# Altium PCB Audio_PCB.PcbDoc (part 2 of 2)
Units mm, origin at the board's own origin, x right, y up, seen from the top; angles counter-clockwise.
Board outline 165.1 x 127 mm, 4 copper layers (Top Layerr(SIG), Layer 2(GND), Layer 3(GND), Bottom Layer(SIG)), stack 1.56 mm thick; 140 components, 126 nets, 570 pads, 267 vias.
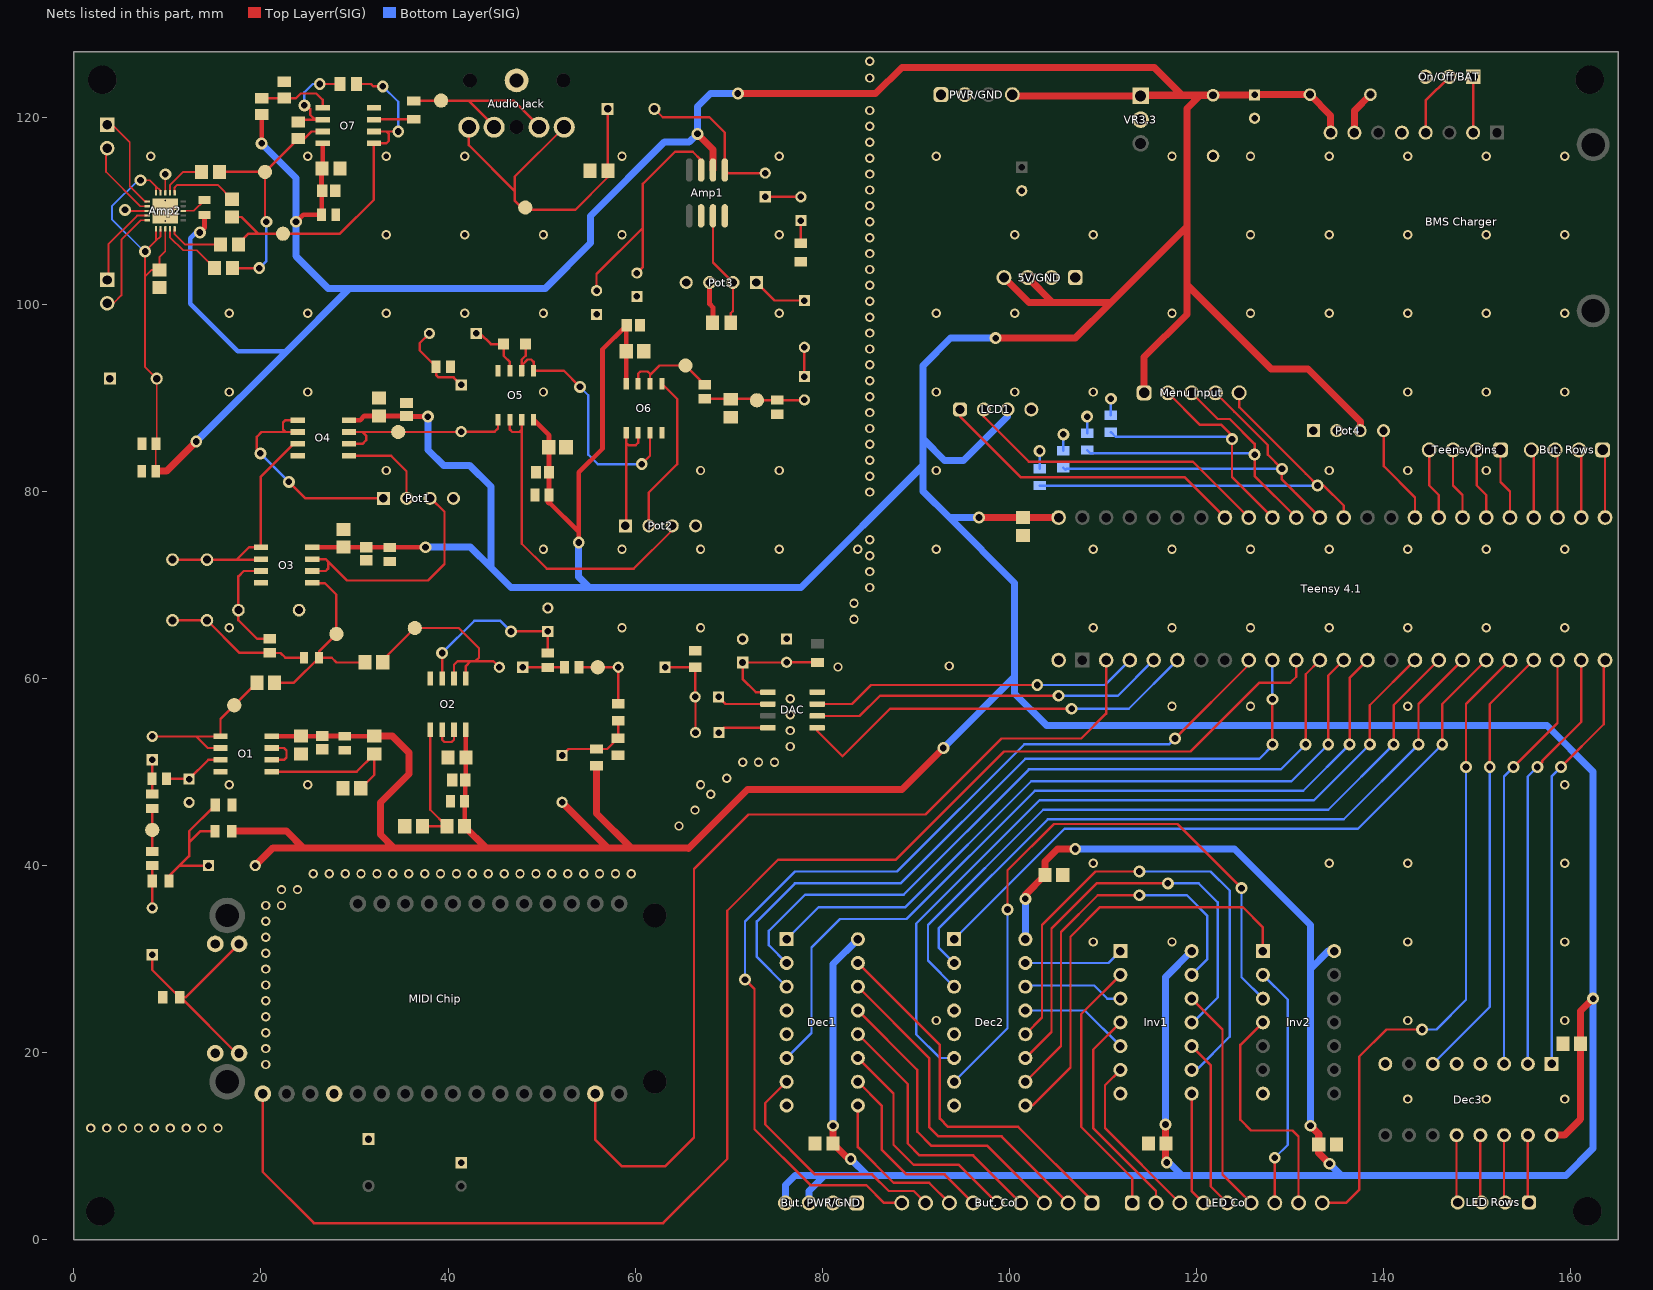
[diagram p4: the nets of this part, all layers, seen from the top]

## Via types
v1: diameter 1, hole 0.6, Top Layerr(SIG) to Bottom Layer(SIG), 189 vias
v2: diameter 1.27, hole 0.711, Top Layerr(SIG) to Bottom Layer(SIG), 73 vias
v3: diameter 0.5, hole 0.2, Top Layerr(SIG) to Bottom Layer(SIG), 5 vias

## Nets (pads, with @x,y where several pads share a name; then routed paths per layer and width w, separated by ;. In a path a pad name is that pad's centre, name@x,y a point inside that pad or via, vN(x,y) a via of type N, cw(c..) or ccw(c..) an arc to the next point about the centre after c; other vN are vias at no path point) (continued)
+5: 5V/GND.3 5V/GND.4 "BMS Charger.8" "But. PWR/GND.3" "But. PWR/GND.4" "Menu Input.1" "Teensy 4.1.42" Amp1.6 Amp2.4 Amp2.5 Amp2.11 Amp2.12 Amp2.13 C1.1 C5.2 C8.1 C9.1 C10.1 C16.2 C19.1 C20.1 C21.1 C25.1 C26.1 C27.2 C28.1 C29.1 C32.1 C33.1 C34.1 C35.1 C36.1 C44.2 C45.1 C46.2 C51.2 C52.2 C53.2 C54.2 C55.2 C56.2 C57.2 C58.1 C59.1 C60.1 C61.1 C62.2 Dec1.16 Dec2.16 Dec3.16 Inv1.14 Inv2.14 LCD1.3 O1.8 O2.8 O3.8 O4.8 O5.8 O6.8 O7.8 Pot4.3 PWR/GND.4 R3.1 R8.2 R13.1 R17.2 R34.1 R36.1 VR3.3.1 | length 1105.7
  Top Layerr(SIG) w0.2: v2(7.112,113.284) 8.128,113.284 8.771,112.641 ; C54.2@8.751,82.169 8.751,85.078 C53.2@8.763,85.09 8.85,85.177 C52.2@8.85,92.075 7.62,93.305 7.62,102.997 ; Amp2.11@8.771,108.077 8.771,106.815 ; Amp2.5@8.771,111.927 8.771,112.641 ; Amp2.12@9.271,108.077 9.271,107.315 8.771,106.815 ; Amp2.4@9.271,112.141 8.771,112.641 ; Amp2.13@9.771,108.077 9.771,105.664 9.144,105.037 C51.2@9.144,103.693 8.316,103.693 7.62,102.997 ; 7.62,102.997 v2(7.62,105.664) 8.771,106.815
  Top Layerr(SIG) w0.5: v2(13.462,107.696) 13.97,108.204 R36.1@13.97,109.561 ; v2(20.066,117.221) R34.1@20.066,120.297 ; O1.8@21.155,53.848 C8.1@24.252,53.848 ; v2(23.749,108.839) 24.511,109.601 C46.2@26.489,109.601 C45.1@26.489,112.091 ; C8.1@24.257,53.843 C9.1@26.535,53.843 ; O3.8@25.473,74.041 C25.1@28.824,74.041 ; C44.2@26.47,114.627 C44.2@26.543,114.554 26.47,114.481 26.47,112.21 C45.1@26.539,112.141 ; C9.1@26.543,53.851 C10.1@28.941,53.851 ; C44.2@26.597,114.754 O7.8@26.597,117.221 ; C25.1@28.829,74.036 C26.1@31.234,74.036 ; C10.1@28.956,53.836 R8.2@32.124,53.836 ; O4.8@29.41,87.63 30.607,87.63 31.054,88.077 C28.1@32.639,88.077 C29.1@35.292,88.077 ; C26.1@31.242,74.044 C27.2@33.755,74.044 ; C27.2@33.758,74.041 v2(37.592,74.041) ; C29.1@35.622,88.011 v2(37.846,88.011) ; R17.2@41.778,44.196 C21.1@41.778,46.87 ; C21.1@41.848,46.94 C20.1@41.848,49.149 ; C20.1@41.91,49.211 C19.1@41.91,51.562 O2.8@41.91,54.537 ; O5.8@49.149,87.672 50.8,86.021 C33.1@50.8,82.042 C34.1@50.8,79.641 ; 50.788,78.879 53.975,75.692 ; v2(53.975,74.549) 53.975,75.692 ; O6.8@59.055,91.525 C35.1@59.055,94.996 59.055,97.728 56.515,95.188 56.515,84.582 53.975,82.042 53.975,75.692
  Top Layerr(SIG) w0.75: C54.2@8.751,82.169 9.906,82.169 v2(13.081,85.344) ; R3.1@16.891,43.688 22.733,43.688 24.514,41.907 ; C5.2@19.391,40.005 21.293,41.907 24.514,41.907 ; C8.1@24.252,53.848 C8.1@24.257,53.843 ; C44.2@26.47,114.627 C44.2@26.597,114.754 ; C45.1@26.489,112.091 C45.1@26.539,112.141 C45.1@26.543,112.145 ; C9.1@26.535,53.843 C9.1@26.543,53.851 ; C25.1@28.829,74.046 C25.1@28.834,74.041 ; C10.1@28.941,53.851 C10.1@28.956,53.836 ; C26.1@31.234,74.036 C26.1@31.242,74.044 ; R8.2@32.124,53.836 R8.2@32.131,53.843 34.041,53.843 35.814,52.07 35.814,49.784 32.766,46.736 32.766,43.307 34.166,41.907 ; C27.2@33.755,74.044 C27.2@33.758,74.041 ; C29.1@35.56,88.073 C29.1@35.622,88.011 ; R17.2@41.778,44.196 44.067,41.907 ; C21.1@41.778,46.87 C21.1@41.848,46.94 ; C20.1@41.848,49.149 C20.1@41.91,49.211 ; 50.788,78.879 C34.1@50.788,79.629 C34.1@50.8,79.641 ; C16.2@52.197,46.776 57.023,41.95 57.023,41.907 ; R13.1@55.88,50.673 55.88,45.59 59.563,41.907 ; C36.1@59.055,97.728 C36.1@59.117,97.79 ; v2(66.675,118.237) 68.326,116.586 Amp1.6@68.326,114.374 ; v2(70.993,122.555) 85.725,122.555 88.519,125.349 115.508,125.349 118.491,122.366 ; v2(81.153,12.192) C55.2@81.153,10.287 82.804,8.636 v2(83.058,8.636) ; v2(92.964,52.578) 88.519,48.133 72.009,48.133 65.722,41.846 65.662,41.907 59.563,41.907 ; v2(96.774,77.216) C1.1@101.473,77.216 105.283,77.216 ; v2(98.552,96.393) 107.061,96.393 110.871,100.203 ; 5V/GND.4@99.441,102.87 102.108,100.203 104.648,100.203 ; PWR/GND.4@100.33,122.428 100.457,122.301 VR3.3.1@114.046,122.301 114.111,122.366 118.491,122.366 ; v2(101.727,36.449) 101.727,36.891 C56.2@103.825,38.989 103.825,40.452 105.156,41.783 v2(107.061,41.783) ; 5V/GND.3@101.981,102.87 104.648,100.203 ; 114.427,90.551 114.427,94.361 118.999,98.933 118.999,102.108 ; v2(116.713,12.319) 116.713,10.602 116.774,10.541 116.713,10.48 116.713,8.382 v2(116.84,8.255) ; v2(132.207,12.192) 133.096,11.303 C59.1@133.096,10.16 133.096,9.271 v2(134.239,8.128) ; 134.366,118.364 134.366,120.204 C60.1@132.142,122.428 126.258,122.428 C61.1@126.238,122.408 121.835,122.408 C62.2@121.793,122.366 120.396,122.366 ; Pot4.3@137.521,86.504 137.541,86.524 137.541,87.503 131.953,93.091 128.016,93.091 118.999,102.108 ; Dec3.16@157.988,11.176 159.385,11.176 161.097,12.888 C57.2@161.097,20.955 161.097,24.445 v2(162.433,25.781) ; 24.514,41.907 34.166,41.907 ; 34.166,41.907 44.067,41.907 ; 44.067,41.907 57.023,41.907 ; 57.023,41.907 59.563,41.907 ; 104.648,100.203 110.871,100.203 ; 110.871,100.203 118.999,108.331 ; 118.491,122.366 120.396,122.366 ; 118.999,102.108 118.999,108.331 ; 118.999,108.331 118.999,120.969 120.396,122.366
  Bottom Layer(SIG) w0.2: v2(7.112,113.284) 6.858,113.284 4.064,110.49 4.064,109.093 7.493,105.664 v2(7.62,105.664)
  Bottom Layer(SIG) w0.5: v2(13.462,107.696) 13.081,107.696 12.446,107.061 12.446,100.076 17.526,94.996 22.606,94.996 22.669,94.932 ; Inv2.14@134.112,30.861 Inv2.14@134.747,30.861
  Bottom Layer(SIG) w0.75: v2(13.081,85.344) 22.669,94.932 29.464,101.727 ; v2(20.066,117.221) 23.749,113.538 v2(23.749,108.839) 23.749,105.156 27.178,101.727 29.464,101.727 ; v2(37.592,74.041) 42.418,74.041 44.577,71.882 ; v2(37.846,88.011) 37.846,84.455 39.497,82.804 42.291,82.804 44.577,80.518 44.577,71.882 ; v2(53.975,74.549) 53.975,70.866 55.118,69.723 ; v2(70.993,122.555) 68.072,122.555 66.675,121.158 v2(66.675,118.237) 65.786,117.348 63.119,117.348 55.245,109.474 55.245,106.553 50.419,101.727 29.464,101.727 ; 76.073,3.937 76.073,5.842 77.089,6.858 80.264,6.858 ; 78.613,3.937 78.613,5.207 80.264,6.858 ; v2(81.153,12.192) 81.153,29.464 Dec1.16@83.82,32.131 ; v2(83.058,8.636) 84.836,6.858 ; v2(92.964,52.578) 100.584,60.198 ; v2(96.774,77.216) 93.599,77.216 ; v2(98.552,96.393) 93.726,96.393 90.805,93.472 90.805,85.598 ; LCD1.3@99.822,88.773 99.822,88.011 95.123,83.312 93.091,83.312 90.805,85.598 ; Dec2.16@101.727,32.131 v2@101.727,36.322 ; v2@107.188,41.783 124.079,41.783 132.207,33.655 132.207,28.956 ; v2(116.713,12.319) 116.713,28.067 Inv1.14@119.507,30.861 ; v2(116.84,8.255) 117.094,8.255 118.491,6.858 ; v2@132.207,12.446 132.207,28.956 ; Inv2.14@134.112,30.861 132.207,28.956 ; v2(134.239,8.128) 135.509,6.858 ; Dec3.16@157.988,11.176 Dec3.16@158.369,11.176 ; 44.577,71.882 46.736,69.723 55.118,69.723 ; 55.118,69.723 77.724,69.723 90.805,82.804 ; 80.264,6.858 84.836,6.858 ; 84.836,6.858 118.491,6.858 ; 90.805,82.804 90.805,85.598 ; 90.805,82.804 90.805,80.01 93.599,77.216 ; 93.599,77.216 100.584,70.231 100.584,60.198 ; 100.584,60.198 100.584,58.42 104.013,54.991 157.48,54.991 162.433,50.038 v2(162.433,25.781) 162.433,9.779 159.512,6.858 135.509,6.858 ; 118.491,6.858 135.509,6.858
GND: 5V/GND.1 5V/GND.2 "Audio Jack.1" "BMS Charger.5" "BMS Charger.7" "But. PWR/GND.1" "But. PWR/GND.2" "MIDI Chip.4" "MIDI Chip.31" "MIDI Chip.32" "Teensy 4.1.46" Amp1.2 Amp1.4 Amp2.3 Amp2.8 Amp2.21 C1.2 C2.1 C3.1 C7.2 C8.2 C9.2 C10.2 C11.2 C12.1 C18.2 C19.2 C20.2 C21.2 C24.1 C25.2 C26.2 C27.1 C28.2 C29.2 C32.2 C33.2 C34.2 C35.2 C36.2 C39.1 C40.1 C44.1 C45.2 C46.1 C51.1 C52.1 C53.1 C54.1 C55.1 C56.1 C57.1 C58.2 C59.2 C60.2 C61.2 C62.1 C63.2 DAC.4 Dec1.4 Dec1.5 Dec1.8 Dec2.4 Dec2.5 Dec2.8 Dec3.4 Dec3.5 Dec3.8 Inv1.7 Inv2.7 LCD1.4 O1.4 O2.4 O3.4 O4.4 O5.4 O6.4 O7.4 On/Off/BAT.3 Pot1.4 Pot2.4 Pot3.3 Pot3.4 Pot4.1 Pot4.2 PWR/GND.1 PWR/GND.2 R1.2 R4.2 R9.1 R11.1 R14.2 R18.1 R23.2 R26.1 R27.1 R28.2 R29.2 R30.1 R35.1 R37.2 R38.2 R39.2 R40.2 VR3.3.2 | length 21
  Top Layerr(SIG) w0.2: v2@5.568,110.002 Amp2.8@7.846,110.002 ; Amp2.3@9.771,111.927 v2@9.771,113.911
  Top Layerr(SIG) w0.5: R4.2@16.902,46.482 R4.2@17.029,46.355 ; Pot3.3@67.965,102.345 67.965,100.056 68.326,99.695 R28.2@68.326,98.089
  Top Layerr(SIG) w0.75: v2(5.461,110.109) v2@5.568,110.002 ; v2@9.771,113.911 v2(9.779,113.919) ; R28.2@68.281,98.044 R28.2@68.326,98.089 ; 136.906,118.364 136.906,120.712 C60.2@138.622,122.428
  Bottom Layer(SIG) w0.254: R40.2@103.251,82.434 v2(103.251,84.328) ; R39.2@105.791,84.339 v2(105.791,86.106) ; R38.2@108.331,86.244 v2(108.331,88.011) ; R37.2@110.871,88.149 v2(110.871,89.916)
  other v1: 1.8,11.94 3.5,11.94 5.2,11.94 6.9,11.94 8.6,11.94 10.3,11.94 12,11.94 13.7,11.94 15.4,11.94 142.6,15.04 151,15.04 159.4,15.04 20.5,18.74 20.5,20.44 20.5,22.14 92.2,23.44 142.6,23.44 159.4,23.44 20.5,23.84 20.5,25.54 20.5,27.24 20.5,28.94 20.5,30.64 109,31.84 117.4,31.84 142.6,31.84 159.4,31.84 20.5,32.34 20.5,34.04 20.5,35.74 22.2,35.74 22.2,37.44 23.9,37.44 25.6,39.14 27.3,39.14 29,39.14 30.7,39.14 32.4,39.14 34.1,39.14 35.8,39.14 37.5,39.14 39.2,39.14 40.9,39.14 42.6,39.14 44.3,39.14 46,39.14 47.7,39.14 49.4,39.14 51.1,39.14 52.8,39.14 54.5,39.14 56.2,39.14 57.9,39.14 59.6,39.14 109,40.24 134.2,40.24 142.6,40.24 159.4,40.24 64.7,44.24 66.4,45.94 68.1,47.64 16.6,48.64 25,48.64 67,48.64 159.4,48.64 69.8,49.34 71.5,51.04 73.2,51.04 74.9,51.04 76.6,52.74 76.6,54.44 76.6,56.14 117.4,57.04 125.8,57.04 142.6,57.04 76.6,57.84 81.7,61.24 93.599,61.341 16.6,65.44 58.6,65.44 67,65.44 109,65.44 117.4,65.44 125.8,65.44 134.2,65.44 142.6,65.44 151,65.44 159.4,65.44 83.4,66.34 83.4,68.04 85.1,69.74 85.1,71.44 85.1,73.14 50.2,73.84 58.6,73.84 67,73.84 75.4,73.84 83.8,73.84 92.2,73.84 109,73.84 117.4,73.84 125.8,73.84 134.2,73.84 142.6,73.84 151,73.84 159.4,73.84 85.1,74.84 85.1,79.94 85.1,81.64 33.4,82.24 67,82.24 75.4,82.24 92.2,82.24 134.2,82.24 142.6,82.24 151,82.24 85.1,83.34 85.1,85.04 85.1,86.74 85.1,88.44 85.1,90.14 16.6,90.64 25,90.64 50.2,90.64 92.2,90.64 100.6,90.64 109,90.64 142.6,90.64 151,90.64 159.4,90.64 85.1,91.84 85.1,93.54 85.1,95.24 85.1,96.94 85.1,98.64 16.6,99.04 25,99.04 33.4,99.04 41.8,99.04 50.2,99.04 75.4,99.04 92.2,99.04 100.6,99.04 117.4,99.04 125.8,99.04 134.2,99.04 142.6,99.04 151,99.04 159.4,99.04 85.1,100.34 85.1,102.04 85.1,103.74 85.1,105.44 85.1,107.14 33.4,107.44 41.8,107.44 50.2,107.44 58.6,107.44 75.4,107.44 100.6,107.44 109,107.44 125.8,107.44 134.2,107.44 142.6,107.44 151,107.44 159.4,107.44 85.1,108.84 85.1,110.54 85.1,112.24 85.1,113.94 85.1,115.64 8.2,115.84 25,115.84 33.4,115.84 41.8,115.84 58.6,115.84 75.4,115.84 92.2,115.84 117.4,115.84 125.8,115.84 134.2,115.84 142.6,115.84 151,115.84 159.4,115.84 85.1,117.34 85.1,119.04 85.1,120.74 85.09,124.206 85.09,125.984
  other v3: 9.771,108.902 8.671,110.002 9.771,110.002 10.871,110.002 9.771,111.102
NetAmp1_3: Amp1.3 Pot3.2 R28.1 | length 12.4
  Top Layerr(SIG) w0.254: Amp1.3@68.326,109.474 68.326,104.484 Pot3.2@70.465,102.345 70.465,99.294 70.231,99.06 R28.1@70.231,98.044
NetAmp1_5: Amp1.5 C41.2 C43.2 | length 17
  Top Layerr(SIG) w0.254: C43.2@62.063,120.904 62.952,120.015 67.945,120.015 69.596,118.364 Amp1.5@69.596,114.374 69.924,114.046 C41.2@73.914,114.046
NetAmp1_7: Amp1.7 C39.2 C40.2 | length 27.7
  Top Layerr(SIG) w0.254: C39.2@55.88,101.473 55.88,103.251 60.833,108.204 ; C40.2@60.198,103.358 60.833,103.993 60.833,108.204 ; Amp1.7@67.056,114.374 67.056,115.443 66.167,116.332 64.262,116.332 60.833,112.903 60.833,108.204
NetAmp2_1: Amp2.1 C47.2 | length 7.4
  Top Layerr(SIG) w0.2: Amp2.1@10.771,111.927 10.771,112.498 10.91,112.637 11.049,112.776 15.364,112.776 ; 15.364,112.774 C47.2@16.891,111.247
NetAmp2_2: Amp2.2 C48.2 | length 4.8
  Top Layerr(SIG) w0.2: Amp2.2@10.271,111.927 10.271,112.76 11.684,114.173 C48.2@13.655,114.173
NetAmp2_6: Amp2.6 S1.1 | length 10.4
  Top Layerr(SIG) w0.2: S1.1@4.104,119.213 5.969,117.348 5.969,112.649 7.616,111.002 Amp2.6@7.846,111.002
  Top Layerr(SIG) w0.254: S1.1@3.556,119.213 S1.1@4.104,119.213
NetAmp2_7: Amp2.7 S1.2 | length 8.5
  Top Layerr(SIG) w0.2: S1.2@3.429,116.586 3.429,114.173 7.1,110.502 Amp2.7@7.846,110.502
  Top Layerr(SIG) w0.254: S1.2@3.429,116.586 S1.2@3.556,116.713
NetAmp2_9: Amp2.9 S2.1 | length 9.3
  Top Layerr(SIG) w0.2: S2.1@3.556,102.616 3.683,102.743 3.683,106.426 6.759,109.502 Amp2.9@7.846,109.502
NetAmp2_10: Amp2.10 S2.2 | length 11.5
  Top Layerr(SIG) w0.2: S2.2@3.556,100.116 4.231,100.116 5.08,100.965 5.08,106.934 7.148,109.002 Amp2.10@7.846,109.002
NetAmp2_14: Amp2.14 C50.2 | length 7
  Top Layerr(SIG) w0.2: Amp2.14@10.271,108.077 10.271,107.188 11.668,105.791 13.147,105.791 C50.2@15.052,103.886
NetAmp2_15: Amp2.15 C49.2 | length 5.9
  Top Layerr(SIG) w0.2: Amp2.15@10.771,108.077 10.771,107.509 11.854,106.426 C49.2@15.687,106.426
NetAmp2_18: Amp2.18 R36.2 | length 2.8
  Top Layerr(SIG) w0.2: Amp2.18@11.691,110.022 12.827,110.022 R36.2@13.97,111.165
"NetAudio Jack_2": "Audio Jack.2" "Audio Jack.5" C43.1 pad.17 R30.2 | length 38.2
  Top Layerr(SIG) w0.254: 42.224,118.952 42.224,117.034 47.117,112.141 ; 52.357,118.952 52.357,119.126 ; 52.424,118.952 47.117,113.645 47.117,112.141 ; C43.1@57.063,120.904 57.063,114.321 R30.2@57.084,114.3 57.084,113.599 53.594,110.109 48.133,110.109 47.117,111.125 47.117,112.141
"NetAudio Jack_3": "Audio Jack.3" "Audio Jack.4" pad.18 R31.1 | length 18.2
  Top Layerr(SIG) w0.254: R31.1@36.322,121.793 42.19,121.793 ; 44.857,119.126 42.19,121.793 ; 49.657,119.126 46.99,121.793 42.19,121.793
"NetBMS Charger_2": "BMS Charger.2" On/Off/BAT.1 | length 6
  Top Layerr(SIG) w0.254: 149.606,118.364 On/Off/BAT.1@149.606,124.333
"NetBMS Charger_4": "BMS Charger.4" On/Off/BAT.2 | length 7
  Top Layerr(SIG) w0.254: 144.526,118.364 144.526,121.793 On/Off/BAT.2@147.066,124.333
"NetBut. Col_1": "But. Col.1" Dec1.15 | length 40.4
  Top Layerr(SIG) w0.254: Dec1.15@83.82,29.591 92.583,20.828 92.583,12.954 93.472,12.065 100.965,12.065 108.839,4.191 108.839,3.937
"NetBut. Col_2": "But. Col.2" Dec1.14 | length 36.4
  Top Layerr(SIG) w0.254: Dec1.14@83.82,27.051 91.44,19.431 91.44,12.065 92.456,11.049 99.187,11.049 106.299,3.937
"NetBut. Col_3": "But. Col.3" Dec1.13 | length 32.3
  Top Layerr(SIG) w0.254: Dec1.13@83.82,24.511 90.17,18.161 90.17,11.557 91.694,10.033 97.663,10.033 103.759,3.937
"NetBut. Col_4": "But. Col.4" Dec1.12 | length 28.6
  Top Layerr(SIG) w0.254: Dec1.12@83.82,21.971 89.154,16.637 89.154,10.287 90.424,9.017 96.139,9.017 101.219,3.937
"NetBut. Col_5": "But. Col.5" Dec1.11 | length 24.5
  Top Layerr(SIG) w0.254: Dec1.11@83.82,19.431 87.63,15.621 87.63,10.16 89.789,8.001 94.615,8.001 98.679,3.937
"NetBut. Col_6": "But. Col.6" Dec1.10 | length 20.4
  Top Layerr(SIG) w0.254: Dec1.10@83.82,16.891 86.36,14.351 86.36,9.652 89.027,6.985 93.091,6.985 96.139,3.937
"NetBut. Col_7": "But. Col.7" Dec1.9 | length 16.7
  Top Layerr(SIG) w0.254: Dec1.9@83.82,14.351 83.82,9.906 87.63,6.096 91.44,6.096 93.599,3.937
"NetBut. Col_8": "But. Col.8" Dec1.7 | length 26.1
  Top Layerr(SIG) w0.254: Dec1.7@76.2,16.891 73.914,14.605 73.914,12.319 79.248,6.985 85.344,6.985 87.122,5.207 89.789,5.207 91.059,3.937
"NetBut. Col_9": "But. Col.9" "Teensy 4.1.7" | length 107.4
  Top Layerr(SIG) w0.254: v2(71.755,27.813) 72.771,26.797 72.771,11.811 78.74,5.842 84.709,5.842 86.614,3.937 88.519,3.937 ; v2(117.729,53.594) 125.603,61.468 125.603,61.976
  Bottom Layer(SIG) w0.254: v2(71.755,27.813) 71.755,34.036 77.089,39.37 88.011,39.37 101.6,52.959 117.094,52.959 v2(117.729,53.594)
"NetBut. Rows_1": "But. Rows.1" "Teensy 4.1.33" | length 7.3
  Top Layerr(SIG) w0.254: 163.449,84.455 163.703,84.201 163.703,77.216
"NetBut. Rows_2": "But. Rows.2" "Teensy 4.1.34" | length 7.3
  Top Layerr(SIG) w0.254: 160.909,84.455 161.163,84.201 161.163,77.216
"NetBut. Rows_3": "But. Rows.3" "Teensy 4.1.35" | length 7.3
  Top Layerr(SIG) w0.254: 158.369,84.455 158.623,84.201 158.623,82.804 158.623,77.216
"NetBut. Rows_4": "But. Rows.4" "Teensy 4.1.36" | length 7.3
  Top Layerr(SIG) w0.254: 155.829,84.455 156.083,84.201 156.083,77.216
NetC4_1: "MIDI Chip.29" "MIDI Chip.30" C4.1 R1.1 | length 23.1
  Top Layerr(SIG) w0.254: C4.1@8.382,30.48 8.382,28.84 R1.1@11.314,25.908 11.938,25.908 17.653,31.623 ; R1.1@11.441,25.897 17.526,19.812
NetC4_2: C4.2 R2.1 R5.2 | length 4.5
  Top Layerr(SIG) w0.254: C4.2@8.382,35.48 8.371,35.491 R2.1@8.371,38.354 8.371,38.851 8.382,38.862 R5.2@8.382,40.005
NetC5_1: C5.1 R2.2 R3.2 R4.1 | length 16.1
  Top Layerr(SIG) w0.254: R2.2@10.171,38.354 10.171,38.873 11.303,40.005 ; C5.1@14.264,40.005 11.303,40.005 ; R3.2@14.986,43.688 13.537,43.688 12.319,42.47 ; R4.1@14.986,46.333 12.319,43.666 12.319,42.47 ; 11.303,40.005 12.319,41.021 12.319,42.47
NetC6_1: C6.1 R6.2 R7.1 | length 3.7
  Top Layerr(SIG) w0.254: R6.2@8.382,47.638 8.356,47.664 R7.1@8.356,49.276 8.356,51.282 C6.1@8.382,51.308
NetC6_2: C6.2 O1.1 O1.2 pad.11 R19.1 | length 17.7
  Top Layerr(SIG) w0.254: C6.2@8.382,53.808 13.081,53.808 ; O1.2@15.675,52.578 14.311,52.578 13.081,53.808 ; R19.1@19.558,59.563 15.675,55.68 O1.1@15.675,53.848 15.635,53.808 13.081,53.808
NetC7_1: C7.1 O1.3 R7.2 | length 6.6
  Top Layerr(SIG) w0.254: R7.2@9.906,49.276 12.299,49.276 C7.1@12.319,49.256 14.371,51.308 O1.3@15.675,51.308
NetC11_1: C11.1 C12.2 DAC.5 R10.1 | length 13.1
  Top Layerr(SIG) w0.254: DAC.5@74.2,58.547 72.898,58.547 71.501,59.944 C11.1@71.501,61.722 76.18,61.722 C12.2@76.2,61.742 79.482,61.742 R10.1@79.502,61.722
NetC13_1: C13.1 DAC.8 | length 5.4
  Top Layerr(SIG) w0.254: C13.1@68.961,54.229 69.469,54.737 DAC.8@74.2,54.737
NetC13_2: C13.2 C14.2 C15.1 R11.2 | length 10.2
  Top Layerr(SIG) w0.254: C15.1@63.206,61.214 63.228,61.192 R11.2@66.421,61.192 C14.2@66.421,58.039 66.461,57.999 C13.2@66.461,54.229
NetC14_1: C14.1 DAC.6 | length 5.6
  Top Layerr(SIG) w0.254: C14.1@68.921,58.039 69.683,57.277 DAC.6@74.2,57.277
NetC15_2: C15.2 pad.10 R12.2 R15.1 | length 8.1
  Top Layerr(SIG) w0.254: R15.1@53.988,61.214 C15.2@58.206,61.214 R12.2@58.206,57.306
NetC16_1: C16.1 R12.1 R13.2 R14.1 | length 8.6
  Top Layerr(SIG) w0.254: C16.1@52.197,51.776 52.894,52.473 R13.2@55.88,52.473 57.023,52.473 R14.1@58.166,53.616 58.206,53.656 R12.1@58.206,55.506
NetC17_1: C17.1 R15.2 R16.1 | length 4.5
  Top Layerr(SIG) w0.254: C17.1@47.986,61.214 47.999,61.201 R16.1@50.673,61.201 50.686,61.214 R15.2@52.438,61.214
NetC17_2: C17.2 O2.1 O2.2 pad.12 R20.1 | length 23.1
  Top Layerr(SIG) w0.254: R20.1@33.02,61.722 33.02,61.976 pad.12@36.449,65.405 41.148,65.405 43.307,63.246 43.307,62.23 43.001,61.924 ; O2.2@40.64,60.017 40.64,61.468 41.021,61.849 42.418,61.849 ; O2.1@41.91,60.017 41.91,61.341 42.418,61.849 ; C17.2@45.486,61.214 44.851,61.849 42.418,61.849
NetC18_1: C18.1 O2.3 R16.2 | length 18.2
  Top Layerr(SIG) w0.254: O2.3@39.37,60.017 v2(39.37,62.738) ; v2(46.736,65.024) 46.756,65.044 C18.1@50.673,65.044 R16.2@50.673,62.751
  Bottom Layer(SIG) w0.254: v2(39.37,62.738) 42.799,66.167 45.593,66.167 v2(46.736,65.024)
NetC22_1: C22.1 C23.1 R21.2 R22.1 | length 15.7
  Top Layerr(SIG) w0.254: C23.1@10.541,66.229 C22.1@14.224,66.229 17.703,62.75 R22.1@20.955,62.75 20.967,62.738 22.098,62.738 22.606,62.23 R21.2@24.598,62.23
NetC22_2: C22.2 C23.2 O3.1 O3.2 O4.3 | length 25.6
  Top Layerr(SIG) w0.254: C23.2@10.541,72.709 C22.2@14.224,72.709 17.399,72.709 ; O3.2@19.993,72.771 19.931,72.709 17.399,72.709 ; O4.3@23.93,85.09 23.495,85.09 19.993,81.588 O3.1@19.993,74.041 18.731,74.041 17.399,72.709
NetC24_2: C24.2 O3.3 R22.2 | length 11.5
  Top Layerr(SIG) w0.254: O3.3@19.993,71.501 18.161,71.501 17.588,70.928 C24.2@17.588,67.31 17.588,66.232 19.57,64.25 R22.2@20.955,64.25
NetC30_1: C30.1 C31.2 R23.1 | length 8.7
  Top Layerr(SIG) w0.254: C31.2@38.013,96.901 36.957,95.845 36.957,95.11 R23.1@38.722,93.345 38.722,92.469 38.989,92.202 40.6,92.202 C30.1@41.402,91.4
NetC30_2: C30.2 O4.6 O4.7 O5.5 pad.14 | length 20
  Top Layerr(SIG) w0.254: O4.6@29.41,85.09 30.861,85.09 31.242,85.471 31.242,85.979 30.861,86.36 ; O4.7@29.41,86.36 30.861,86.36 ; C30.2@41.402,86.36 30.861,86.36 ; C30.2@41.402,86.4 44.998,86.4 45.339,86.741 O5.5@45.339,87.672
NetC31_1: C31.1 O5.3 R24.1 | length 6.5
  Top Layerr(SIG) w0.254: C31.1@43.013,96.901 43.434,96.901 44.577,95.758 R24.1@45.942,95.758 45.942,94.52 46.609,93.853 O5.3@46.609,92.922
NetC37_1: C37.1 C38.2 | length 3.1
  Top Layerr(SIG) w0.254: C37.1@78.105,92.289 C38.2@78.105,95.417
NetC37_2: C37.2 pad.16 R25.1 R26.2 R27.2 | length 10.8
  Top Layerr(SIG) w0.254: R25.1@67.437,89.928 70.08,89.928 70.104,89.904 72.869,89.904 pad.16@73.025,89.748 78.064,89.748 C37.2@78.105,89.789
NetC38_1: C38.1 Pot3.1 | length 5.9
  Top Layerr(SIG) w0.254: Pot3.1@72.965,102.345 74.893,100.417 C38.1@78.105,100.417
NetC41_1: C41.1 C42.2 | length 3.8
  Top Layerr(SIG) w0.254: C41.1@73.914,111.506 C42.2@77.724,111.506
NetC42_1: C42.1 R29.1 | length 2.4
  Top Layerr(SIG) w0.254: R29.1@77.724,106.553 C42.1@77.724,108.966
NetC47_1: C47.1 C49.1 O7.1 O7.2 pad.20 R32.1 | length 39.9
  Top Layerr(SIG) w0.254: C47.1@16.891,109.347 17.907,109.347 19.685,107.569 ; C49.1@17.526,106.426 18.669,107.569 19.685,107.569 ; R32.1@30.212,123.571 31.75,123.571 32.004,123.317 v2(33.02,123.317) ; O7.2@32.077,118.491 33.401,118.491 ; v2(34.671,118.491) 33.401,118.491 ; 19.685,107.569 28.448,107.569 32.077,111.198 O7.1@32.077,117.221 33.401,117.221 33.655,117.475 33.655,118.237 33.401,118.491
  Bottom Layer(SIG) w0.254: v2(33.02,123.317) 34.671,121.666 v2(34.671,118.491)
NetC48_1: C48.1 C50.1 O7.7 pad.19 R33.2 | length 26.4
  Top Layerr(SIG) w0.254: C48.1@15.555,114.173 pad.19@20.433,114.173 ; C50.1@16.952,103.886 v2(19.812,103.886) ; v2(20.574,108.839) 20.433,108.98 pad.19@20.433,114.173 ; O7.7@26.597,118.491 25.4,118.491 24.652,117.743 R33.2@24.003,117.743 pad.19@20.433,114.173
  Bottom Layer(SIG) w0.254: v2(19.812,103.886) 20.574,104.648 v2(20.574,108.839)
NetDAC_1: "Teensy 4.1.4" DAC.1 | length 44.2
  Top Layerr(SIG) w0.254: DAC.1@79.47,54.737 79.47,54.396 82.177,51.689 87.257,56.769 89.662,56.769 v2(106.68,56.769)
  Bottom Layer(SIG) w0.254: v2(106.68,56.769) 112.776,56.769 117.983,61.976
NetDAC_2: "Teensy 4.1.3" DAC.2 | length 38.5
  Top Layerr(SIG) w0.254: DAC.2@79.47,56.007 79.481,55.996 84.009,55.996 86.179,58.166 v2(105.283,58.166)
  Bottom Layer(SIG) w0.254: v2(105.283,58.166) 111.633,58.166 115.443,61.976
NetDAC_3: "Teensy 4.1.2" DAC.3 | length 34.7
  Top Layerr(SIG) w0.254: DAC.3@79.47,57.277 83.185,57.277 85.217,59.309 v2@102.362,59.309
  Bottom Layer(SIG) w0.254: v2(102.997,59.309) 110.236,59.309 112.903,61.976
NetDec1_1: "Teensy 4.1.11" Dec1.1 | length 76.2
  Top Layerr(SIG) w0.254: v2(134.112,52.959) 134.112,60.325 135.763,61.976
  Bottom Layer(SIG) w0.254: Dec1.1@76.2,32.131 79.629,35.56 88.9,35.56 102.362,49.022 130.175,49.022 v2(134.112,52.959)
NetDec1_2: "Teensy 4.1.10" Dec1.2 | length 79.5
  Top Layerr(SIG) w0.254: v2(131.699,52.959) 131.699,60.452 133.223,61.976
  Bottom Layer(SIG) w0.254: Dec1.2@76.2,29.591 74.295,31.496 74.295,33.02 78.168,36.893 88.709,36.893 102.108,50.292 129.032,50.292 v2(131.699,52.959)
NetDec1_3: "Teensy 4.1.8" Dec1.3 | length 80.3
  Top Layerr(SIG) w0.254: v2(128.143,52.959) v2(128.143,57.785)
  Bottom Layer(SIG) w0.254: Dec1.3@76.2,27.051 73.025,30.226 73.025,34.036 77.089,38.1 88.392,38.1 101.727,51.435 126.746,51.435 v2@128.207,52.895 ; v2(128.143,57.785) 128.143,61.976
NetDec1_6: "Teensy 4.1.12" Dec1.6 | length 89.2
  Top Layerr(SIG) w0.254: v2(136.398,52.959) 136.398,60.071 138.303,61.976
  Bottom Layer(SIG) w0.254: Dec1.6@76.2,19.431 78.867,22.098 78.867,31.242 81.915,34.29 89.027,34.29 102.743,48.006 131.445,48.006 v2(136.398,52.959)
NetDec2_1: "Teensy 4.1.27" Dec2.1 | length 71.8
  Top Layerr(SIG) w0.254: v2(146.304,52.959) 146.304,57.277 151.003,61.976
  Bottom Layer(SIG) w0.254: Dec2.1@94.107,32.131 105.918,43.942 137.287,43.942 v2(146.304,52.959)
NetDec2_2: "Teensy 4.1.26" Dec2.2 | length 74.8
  Top Layerr(SIG) w0.254: v2(143.764,52.959) 143.764,57.277 148.463,61.976
  Bottom Layer(SIG) w0.254: Dec2.2@94.107,29.591 92.456,31.242 92.456,33.274 104.14,44.958 135.763,44.958 v2(143.764,52.959)
NetDec2_3: "Teensy 4.1.25" Dec2.3 | length 76.8
  Top Layerr(SIG) w0.254: v2@141.097,52.705 v2(141.097,52.959) 141.097,57.15 145.923,61.976
  Bottom Layer(SIG) w0.254: Dec2.3@94.107,27.051 91.313,29.845 91.313,33.655 103.632,45.974 134.112,45.974 v2(141.097,52.959)
NetDec2_6: "Teensy 4.1.24" Dec2.6 | length 84.4
  Top Layerr(SIG) w0.254: v2(138.557,52.959) 138.557,57.15 143.383,61.976
  Bottom Layer(SIG) w0.254: Dec2.6@94.107,19.431 92.583,19.431 90.043,21.971 90.043,33.782 103.251,46.99 132.588,46.99 v2(138.557,52.959)
NetDec2_7: Dec2.7 Inv2.3 | length 67.6
  Top Layerr(SIG) w0.254: v2(99.822,35.306) 99.822,39.497 104.775,44.45 117.983,44.45 v2(124.841,37.592)
  Bottom Layer(SIG) w0.254: Dec2.7@94.107,16.891 99.822,22.606 v2(99.822,35.306) ; v2(124.841,37.592) 124.841,28.067 Inv2.3@127.127,25.781
NetDec2_9: Dec2.9 Inv2.1 | length 45.8
  Top Layerr(SIG) w0.254: Dec2.9@101.727,14.351 102.489,14.351 106.553,18.415 106.553,32.389 109.724,35.56 124.968,35.56 127.127,33.401 Inv2.1@127.127,30.861
NetDec2_10: Dec2.10 Inv1.13 | length 42.8
  Top Layerr(SIG) w0.254: Dec2.10@101.727,16.891 105.537,20.701 105.537,32.893 109.474,36.83 v2(113.919,36.83)
  Bottom Layer(SIG) w0.254: v2(113.919,36.83) 118.999,36.83 121.158,34.671 121.158,29.972 Inv1.13@119.507,28.321
NetDec2_11: Dec2.11 Inv1.11 | length 49.7
  Top Layerr(SIG) w0.254: Dec2.11@101.727,19.431 104.521,22.225 104.521,33.274 109.347,38.1 v2(116.967,38.1)
  Bottom Layer(SIG) w0.254: v2(116.967,38.1) 120.269,38.1 122.301,36.068 122.301,25.908 119.634,23.241 Inv1.11@119.507,23.241
NetDec2_12: Dec2.12 Inv1.9 | length 56.9
  Top Layerr(SIG) w0.254: Dec2.12@101.727,21.971 103.505,23.749 103.505,33.655 109.22,39.37 v2(113.919,39.37)
  Bottom Layer(SIG) w0.254: v2(113.919,39.37) 121.539,39.37 123.571,37.338 123.571,21.717 120.015,18.161 Inv1.9@119.507,18.161
NetDec2_13: Dec2.13 Inv1.5 | length 11.7
  Bottom Layer(SIG) w0.254: Dec2.13@101.727,24.511 108.077,24.511 Inv1.5@111.887,20.701
NetDec2_14: Dec2.14 Inv1.3 | length 10.8
  Bottom Layer(SIG) w0.254: Dec2.14@101.727,27.051 101.854,27.178 109.093,27.178 110.49,25.781 Inv1.3@111.887,25.781
NetDec2_15: Dec2.15 Inv1.1 | length 10.7
  Bottom Layer(SIG) w0.254: Dec2.15@101.727,29.591 110.617,29.591 Inv1.1@111.887,30.861
NetDec3_1: "Teensy 4.1.32" Dec3.1 | length 45.5
  Top Layerr(SIG) w0.254: v2(159.004,50.546) 163.576,55.118 163.576,61.849 163.703,61.976
  Bottom Layer(SIG) w0.254: Dec3.1@157.988,18.796 157.988,49.53 v2(159.004,50.546)
NetDec3_2: "Teensy 4.1.31" Dec3.2 | length 45.8
  Top Layerr(SIG) w0.254: v2(156.464,50.546) 156.974,51.056 156.974,51.183 161.163,55.372 161.163,61.976
  Bottom Layer(SIG) w0.254: Dec3.2@155.448,18.796 155.448,49.53 v2(156.464,50.546) v2@156.464,50.292
NetDec3_3: "Teensy 4.1.30" Dec3.3 | length 45.5
  Top Layerr(SIG) w0.254: v2(153.924,50.546) 158.623,55.245 158.623,61.976
  Bottom Layer(SIG) w0.254: Dec3.3@152.908,18.796 152.908,49.53 v2(153.924,50.546)
NetDec3_6: "Teensy 4.1.29" Dec3.6 | length 47.8
  Top Layerr(SIG) w0.254: v2(151.384,50.546) 151.384,57.277 156.083,61.976
  Bottom Layer(SIG) w0.254: Dec3.6@145.288,18.923 Dec3.6@145.288,18.796 151.384,24.892 v2(151.384,50.546)
NetDec3_12: "LED Rows.4" Dec3.12 | length 7.2
  Top Layerr(SIG) w0.254: Dec3.12@147.828,11.176 147.828,4.11 147.955,3.983
NetDec3_13: "LED Rows.3" Dec3.13 | length 7.2
  Top Layerr(SIG) w0.254: Dec3.13@150.368,11.176 150.368,4.11 150.495,3.983
NetDec3_14: "LED Rows.2" Dec3.14 | length 7.2
  Top Layerr(SIG) w0.254: Dec3.14@152.908,11.176 152.908,4.11 153.035,3.983
NetDec3_15: "LED Rows.1" Dec3.15 | length 7.2
  Top Layerr(SIG) w0.254: Dec3.15@155.448,11.176 155.448,4.11 155.575,3.983
NetInv1_2: "LED Col.1" Inv1.2 | length 28.4
  Top Layerr(SIG) w0.254: Inv1.2@111.887,28.321 107.696,24.13 107.696,12.065 113.157,6.604 113.157,3.937
NetInv1_4: "LED Col.2" Inv1.4 | length 23.3
  Top Layerr(SIG) w0.254: Inv1.4@111.887,23.241 108.966,20.32 108.966,11.938 115.697,5.207 115.697,3.937
NetInv1_6: "LED Col.3" Inv1.6 | length 18.2
  Top Layerr(SIG) w0.254: Inv1.6@111.887,18.161 110.236,16.51 110.236,11.938 118.237,3.937
NetInv1_8: "LED Col.4" Inv1.8 | length 12.2
  Top Layerr(SIG) w0.254: Inv1.8@119.507,15.621 119.507,5.207 120.777,3.937
NetInv1_10: "LED Col.5" Inv1.10 | length 18.3
  Top Layerr(SIG) w0.254: Inv1.10@119.507,20.701 121.539,18.669 121.539,5.715 123.317,3.937
NetInv1_12: "LED Col.6" Inv1.12 | length 24.5
  Top Layerr(SIG) w0.254: Inv1.12@119.507,25.781 122.809,22.479 122.809,6.985 125.857,3.937
NetInv2_2: "LED Col.7" Inv2.2 | length 26.1
  Top Layerr(SIG) w0.254: 128.397,3.937 v2(128.397,8.763)
  Bottom Layer(SIG) w0.254: Inv2.2@127.127,28.321 129.794,25.654 129.794,10.16 v2(128.397,8.763)
NetInv2_4: "LED Col.8" Inv2.4 | length 25.5
  Top Layerr(SIG) w0.254: Inv2.4@127.127,23.241 124.714,20.828 124.714,12.827 125.857,11.684 130.302,11.684 130.937,11.049 130.937,3.937
NetLCD1_1: "Teensy 4.1.19" LCD1.1 | length 33.6
  Top Layerr(SIG) w0.254: LCD1.1@94.742,88.773 94.742,88.011 101.219,81.534 118.745,81.534 123.063,77.216
NetLCD1_2: "Teensy 4.1.18" LCD1.2 | length 33.6
  Top Layerr(SIG) w0.254: LCD1.2@97.282,88.773 97.282,88.011 102.108,83.185 119.634,83.185 125.603,77.216
"NetLED Col_9": "LED Col.9" "Teensy 4.1.28" | length 71
  Top Layerr(SIG) w0.254: 133.477,3.937 136.017,3.937 137.414,5.334 137.414,19.558 140.335,22.479 v2(144.145,22.479) ; v2(148.844,50.546) 148.844,57.277 153.543,61.976
  Bottom Layer(SIG) w0.254: v2(144.145,22.479) 145.669,22.479 148.844,25.654 v2(148.844,50.546)
"NetMenu Input_2": "Menu Input.2" "Teensy 4.1.17" R37.1 | length 32.6
  Top Layerr(SIG) w0.254: 116.967,90.551 120.396,87.122 122.682,87.122 123.825,85.979 v2(123.825,85.598) 123.825,81.534 128.143,77.216
  Bottom Layer(SIG) w0.254: R37.1@110.871,86.349 111.368,85.852 123.571,85.852 v2(123.825,85.598)
"NetMenu Input_3": "Menu Input.3" "Teensy 4.1.16" R38.1 | length 36.8
  Top Layerr(SIG) w0.254: 119.507,90.551 122.301,87.757 123.571,87.757 126.238,85.09 v2(126.238,83.947) 126.238,81.661 130.683,77.216
  Bottom Layer(SIG) w0.254: R38.1@108.331,84.444 108.701,84.074 126.111,84.074 v2(126.238,83.947)
"NetMenu Input_4": "Menu Input.4" "Teensy 4.1.15" R39.1 | length 41.3
  Top Layerr(SIG) w0.254: 122.047,90.551 124.079,88.519 127.635,84.963 127.635,83.947 v2(129.159,82.423) 129.159,81.28 130.451,79.988 ; 130.552,79.887 133.223,77.216
  Bottom Layer(SIG) w0.254: R39.1@105.791,82.539 106.034,82.296 106.161,82.423 v2(129.159,82.423)
"NetMenu Input_5": "Menu Input.5" "Teensy 4.1.14" R40.1 | length 47.4
  Top Layerr(SIG) w0.254: 124.587,90.551 124.587,89.027 131.699,81.915 v2(132.969,80.645) ; 133.604,80.645 135.763,78.486 135.763,77.216
  Bottom Layer(SIG) w0.254: R40.1@103.251,80.634 v2@132.958,80.634
"NetMIDI Chip_1": "MIDI Chip.1" "Teensy 4.1.9" | length 162.2
  Top Layerr(SIG) w0.254: 20.193,15.192 20.193,7.239 25.654,1.778 62.992,1.778 69.85,8.636 69.85,35.179 75.311,40.64 87.884,40.64 99.441,52.197 119.38,52.197 126.746,59.563 130.048,59.563 130.683,60.198 130.683,61.976
"NetMIDI Chip_15": "MIDI Chip.15" "Teensy 4.1.1" | length 103.3
  Top Layerr(SIG) w0.254: 55.753,15.621 55.753,10.668 58.547,7.874 63.246,7.874 66.294,10.922 66.294,39.624 72.136,45.466 91.059,45.466 99.187,53.594 107.696,53.594 110.358,56.256 ; 110.363,56.261 110.363,61.976
NetO1_5: O1.5 R8.1 R9.2 | length 16.1
  Top Layerr(SIG) w0.254: O1.5@21.155,50.038 30.226,50.038 R8.1@32.131,51.943 32.131,49.723 R9.2@30.668,48.26
NetO1_6: O1.6 O1.7 | length 4.1
  Top Layerr(SIG) w0.254: O1.6@21.155,51.308 22.479,51.308 22.733,51.562 22.733,52.324 22.479,52.578 O1.7@21.155,52.578
NetO2_5: O2.5 R17.1 R18.2 | length 13.8
  Top Layerr(SIG) w0.254: R18.2@37.338,44.262 R18.2@37.272,44.196 R17.1@39.878,44.196 38.1,45.974 O2.5@38.1,54.537
NetO2_6: O2.6 O2.7 | length 3.6
  Top Layerr(SIG) w0.254: O2.6@39.37,54.537 39.37,53.467 39.624,53.213 40.386,53.213 40.64,53.467 O2.7@40.64,54.537
NetO3_5: O3.5 pad.13 R19.2 R20.2 R21.1 | length 21.7
  Top Layerr(SIG) w0.254: R19.2@21.458,59.563 23.535,59.563 R21.1@26.202,62.23 ; O3.5@25.473,70.231 25.44,70.198 26.83,70.198 28.067,68.961 pad.13@28.067,64.775 26.202,62.91 R21.1@26.202,62.23 ; R20.2@31.12,61.722 28.067,61.722 27.559,62.23 R21.1@26.202,62.23
NetO3_6: O3.6 O3.7 Pot1.3 | length 26.1
  Top Layerr(SIG) w0.254: O3.6@25.473,71.501 26.924,71.501 27.178,71.755 27.178,72.517 ; O3.7@25.473,72.771 26.924,72.771 27.178,72.517 ; Pot1.3@38.08,79.265 38.187,79.265 39.624,77.828 39.624,72.263 37.846,70.485 29.21,70.485 27.178,72.517
NetO4_1: O4.1 O4.2 Pot1.1 | length 24.5
  Top Layerr(SIG) w0.254: v2(19.939,84.074) 19.558,84.455 19.558,85.852 20.066,86.36 22.606,86.36 ; v2(22.987,81.026) 24.748,79.265 Pot1.1@33.08,79.265 ; O4.2@23.93,86.36 22.606,86.36 ; O4.1@23.93,87.63 22.606,87.63 22.352,87.376 22.352,86.614 22.606,86.36
  Bottom Layer(SIG) w0.254: v2(19.939,84.074) v2(22.987,81.026)
NetO4_5: O4.5 Pot1.2 | length 9.6
  Top Layerr(SIG) w0.254: O4.5@29.41,83.82 33.909,83.82 35.56,82.169 Pot1.2@35.56,79.392
NetO5_1: O5.1 O5.2 O6.3 R24.2 | length 28.7
  Top Layerr(SIG) w0.254: O5.2@47.879,92.922 O5.2@47.879,93.472 ; R24.2@48.292,95.758 48.292,94.52 47.879,94.107 O5.2@47.879,93.472 ; v2(54.102,91.186) 52.366,92.922 O5.1@49.149,92.922 49.149,93.853 48.895,94.107 48.514,94.107 O5.2@47.879,93.472 ; v2(60.706,82.931) 61.595,83.82 O6.3@61.595,86.275
  Bottom Layer(SIG) w0.254: v2(54.102,91.186) 54.991,90.297 54.991,83.947 56.007,82.931 v2(60.706,82.931)
NetO5_6: O5.6 O5.7 Pot2.3 | length 35.2
  Top Layerr(SIG) w0.254: O5.6@46.609,87.672 46.609,86.614 46.863,86.36 47.625,86.36 47.879,86.614 ; O5.7@47.879,87.672 47.879,86.614 ; Pot2.3@63.968,76.327 63.968,75.859 59.864,71.755 50.546,71.755 47.879,74.422 47.879,86.614
NetO6_1: O6.1 O6.2 Pot2.1 | length 12.5
  Top Layerr(SIG) w0.254: Pot2.1@58.968,76.327 59.055,76.414 59.055,85.217 ; O6.1@59.055,86.275 59.055,85.217 ; O6.2@60.325,86.275 60.325,85.217 60.071,84.963 59.309,84.963 59.055,85.217
NetO6_5: O6.5 Pot2.2 | length 17.1
  Top Layerr(SIG) w0.254: Pot2.2@61.468,76.327 61.468,79.883 64.516,82.931 64.516,89.874 O6.5@62.865,91.525
NetO6_6: O6.6 O6.7 pad.15 R25.2 | length 10.7
  Top Layerr(SIG) w0.254: O6.7@60.325,91.525 60.325,92.583 60.579,92.837 61.341,92.837 61.595,92.583 61.595,92.456 ; O6.6@61.595,91.525 61.595,92.456 ; R25.2@67.437,91.428 pad.15@65.393,93.472 62.611,93.472 61.595,92.456
NetO7_3: O7.3 R31.2 | length 4.3
  Top Layerr(SIG) w0.254: O7.3@32.077,119.761 32.118,119.802 R31.2@36.322,119.802
NetO7_5: O7.5 R34.2 R35.2 | length 7.9
  Top Layerr(SIG) w0.254: R34.2@20.066,122.047 20.08,122.061 R35.2@22.479,122.061 22.493,122.047 23.749,122.047 24.257,122.555 25.908,122.555 26.597,121.866 O7.5@26.597,121.031
NetO7_6: O7.6 R32.2 R33.1 | length 11.2
  Top Layerr(SIG) w0.254: R33.1@24.003,119.747 26.583,119.747 O7.6@26.597,119.761 25.781,119.761 25.273,120.269 25.273,120.904 24.892,121.285 v2(24.638,121.285) ; v2(26.289,123.571) R32.2@28.462,123.571
  Bottom Layer(SIG) w0.254: v2(24.638,121.285) 24.638,122.682 25.527,123.571 v2(26.289,123.571)
NetPot4_4: "Teensy 4.1.41" Pot4.4 | length 10.7
  Top Layerr(SIG) w0.254: Pot4.4@140.021,86.504 140.041,86.484 140.041,82.717 143.383,79.375 143.383,77.216
NetR5_1: pad.9 R5.1 R6.1 | length 4.6
  Top Layerr(SIG) w0.254: R5.1@8.382,41.517 pad.9@8.382,43.815 R6.1@8.382,46.088
"NetTeensy 4.1_37": "Teensy 4.1.37" "Teensy Pins.1" | length 7.7
  Top Layerr(SIG) w0.254: 152.527,84.455 152.527,81.026 153.543,80.01 153.543,77.216
"NetTeensy 4.1_38": "Teensy 4.1.38" "Teensy Pins.2" | length 7.7
  Top Layerr(SIG) w0.254: 149.987,84.455 149.987,80.645 151.003,79.629 151.003,77.216
"NetTeensy 4.1_39": "Teensy 4.1.39" "Teensy Pins.3" | length 7.7
  Top Layerr(SIG) w0.254: 147.447,84.455 147.447,80.645 148.463,79.629 148.463,77.216
"NetTeensy 4.1_40": "Teensy 4.1.40" "Teensy Pins.4" | length 7.7
  Top Layerr(SIG) w0.254: 144.907,84.455 144.907,80.645 145.923,79.629 145.923,77.216
pads on no net: "Audio Jack.MH1" "Audio Jack.MH2" "Audio Jack.MH3" "BMS Charger.1" "BMS Charger.3" "BMS Charger.6" "BMS Charger.P1" "BMS Charger.P2" "MIDI Chip.3" "MIDI Chip.5" "MIDI Chip.6" "MIDI Chip.7" "MIDI Chip.8" "MIDI Chip.9" "MIDI Chip.10" "MIDI Chip.11" "MIDI Chip.12" "MIDI Chip.13" "MIDI Chip.14" "MIDI Chip.16" "MIDI Chip.17" "MIDI Chip.18" "MIDI Chip.19" "MIDI Chip.20" "MIDI Chip.21" "MIDI Chip.22" "MIDI Chip.23" "MIDI Chip.24" "MIDI Chip.25" "MIDI Chip.26" "MIDI Chip.27" "MIDI Chip.28" "MIDI Chip.MH1" "MIDI Chip.MH2" "MIDI Chip.P$1" "MIDI Chip.P$2" "Teensy 4.1.0" "Teensy 4.1.5" "Teensy 4.1.6" "Teensy 4.1.13" "Teensy 4.1.20" "Teensy 4.1.21" "Teensy 4.1.22" "Teensy 4.1.23" "Teensy 4.1.43" "Teensy 4.1.44" "Teensy 4.1.45" "Teensy 4.1.47" Amp1.1 Amp1.8 Amp2.16 Amp2.17 Amp2.19 Amp2.20 DAC.7 Dec3.7 Dec3.9 Dec3.10 Dec3.11 Inv2.5 Inv2.6 Inv2.8 Inv2.9 Inv2.10 Inv2.11 Inv2.12 Inv2.13

## Polygon pours and split planes (outlines as drawn)
GND on Top Layerr(SIG) "GND_L01_P008" (solid, pour order 8): 0,127 165.1,127 165.1,0 0,0
GND on Layer 2(GND) "GND_L02_P009" (solid, pour order 9): 0,127 165.1,127 165.1,0 0,0
GND on Layer 3(GND) "GND_L03_P010" (solid, pour order 10): 0,127 165.1,127 165.1,0 0,0
GND on Bottom Layer(SIG) "GND_L04_P011" (solid, pour order 11): 0,127 165.1,127 165.1,0 0,0

## Silkscreen, mask and mechanical layers (free items; w line width, h text height)
Top Overlay:
  text "Moduloop_Audio V2" at 129.413,40.894 h2
  text "SDP 24 Team 28:  Ryan Gordon   Conor Curtin  Evan Rovelli  Shawn Colby" at 138.557,26.543 h1.52

## Text inside footprints (layer, text, board x,y; h text height)
"Audio Jack": Mechanical 7 "3,5mm" at 44.593,115.862 h1.97
"But. Col": Top Overlay "1" at 108.966,1.905 h1.02 r180; Top Overlay "9" at 88.9,2.032 h1.02 r180
"LED Col": Top Overlay "1" at 113.03,5.715 h1.02; Top Overlay "9" at 133.096,5.842 h1.02
"Menu Input": Top Overlay "1" at 114.3,92.329 h1.02; Top Overlay "5" at 124.206,92.329 h1.02